# KiCad board panel.kicad_pcb (continued)
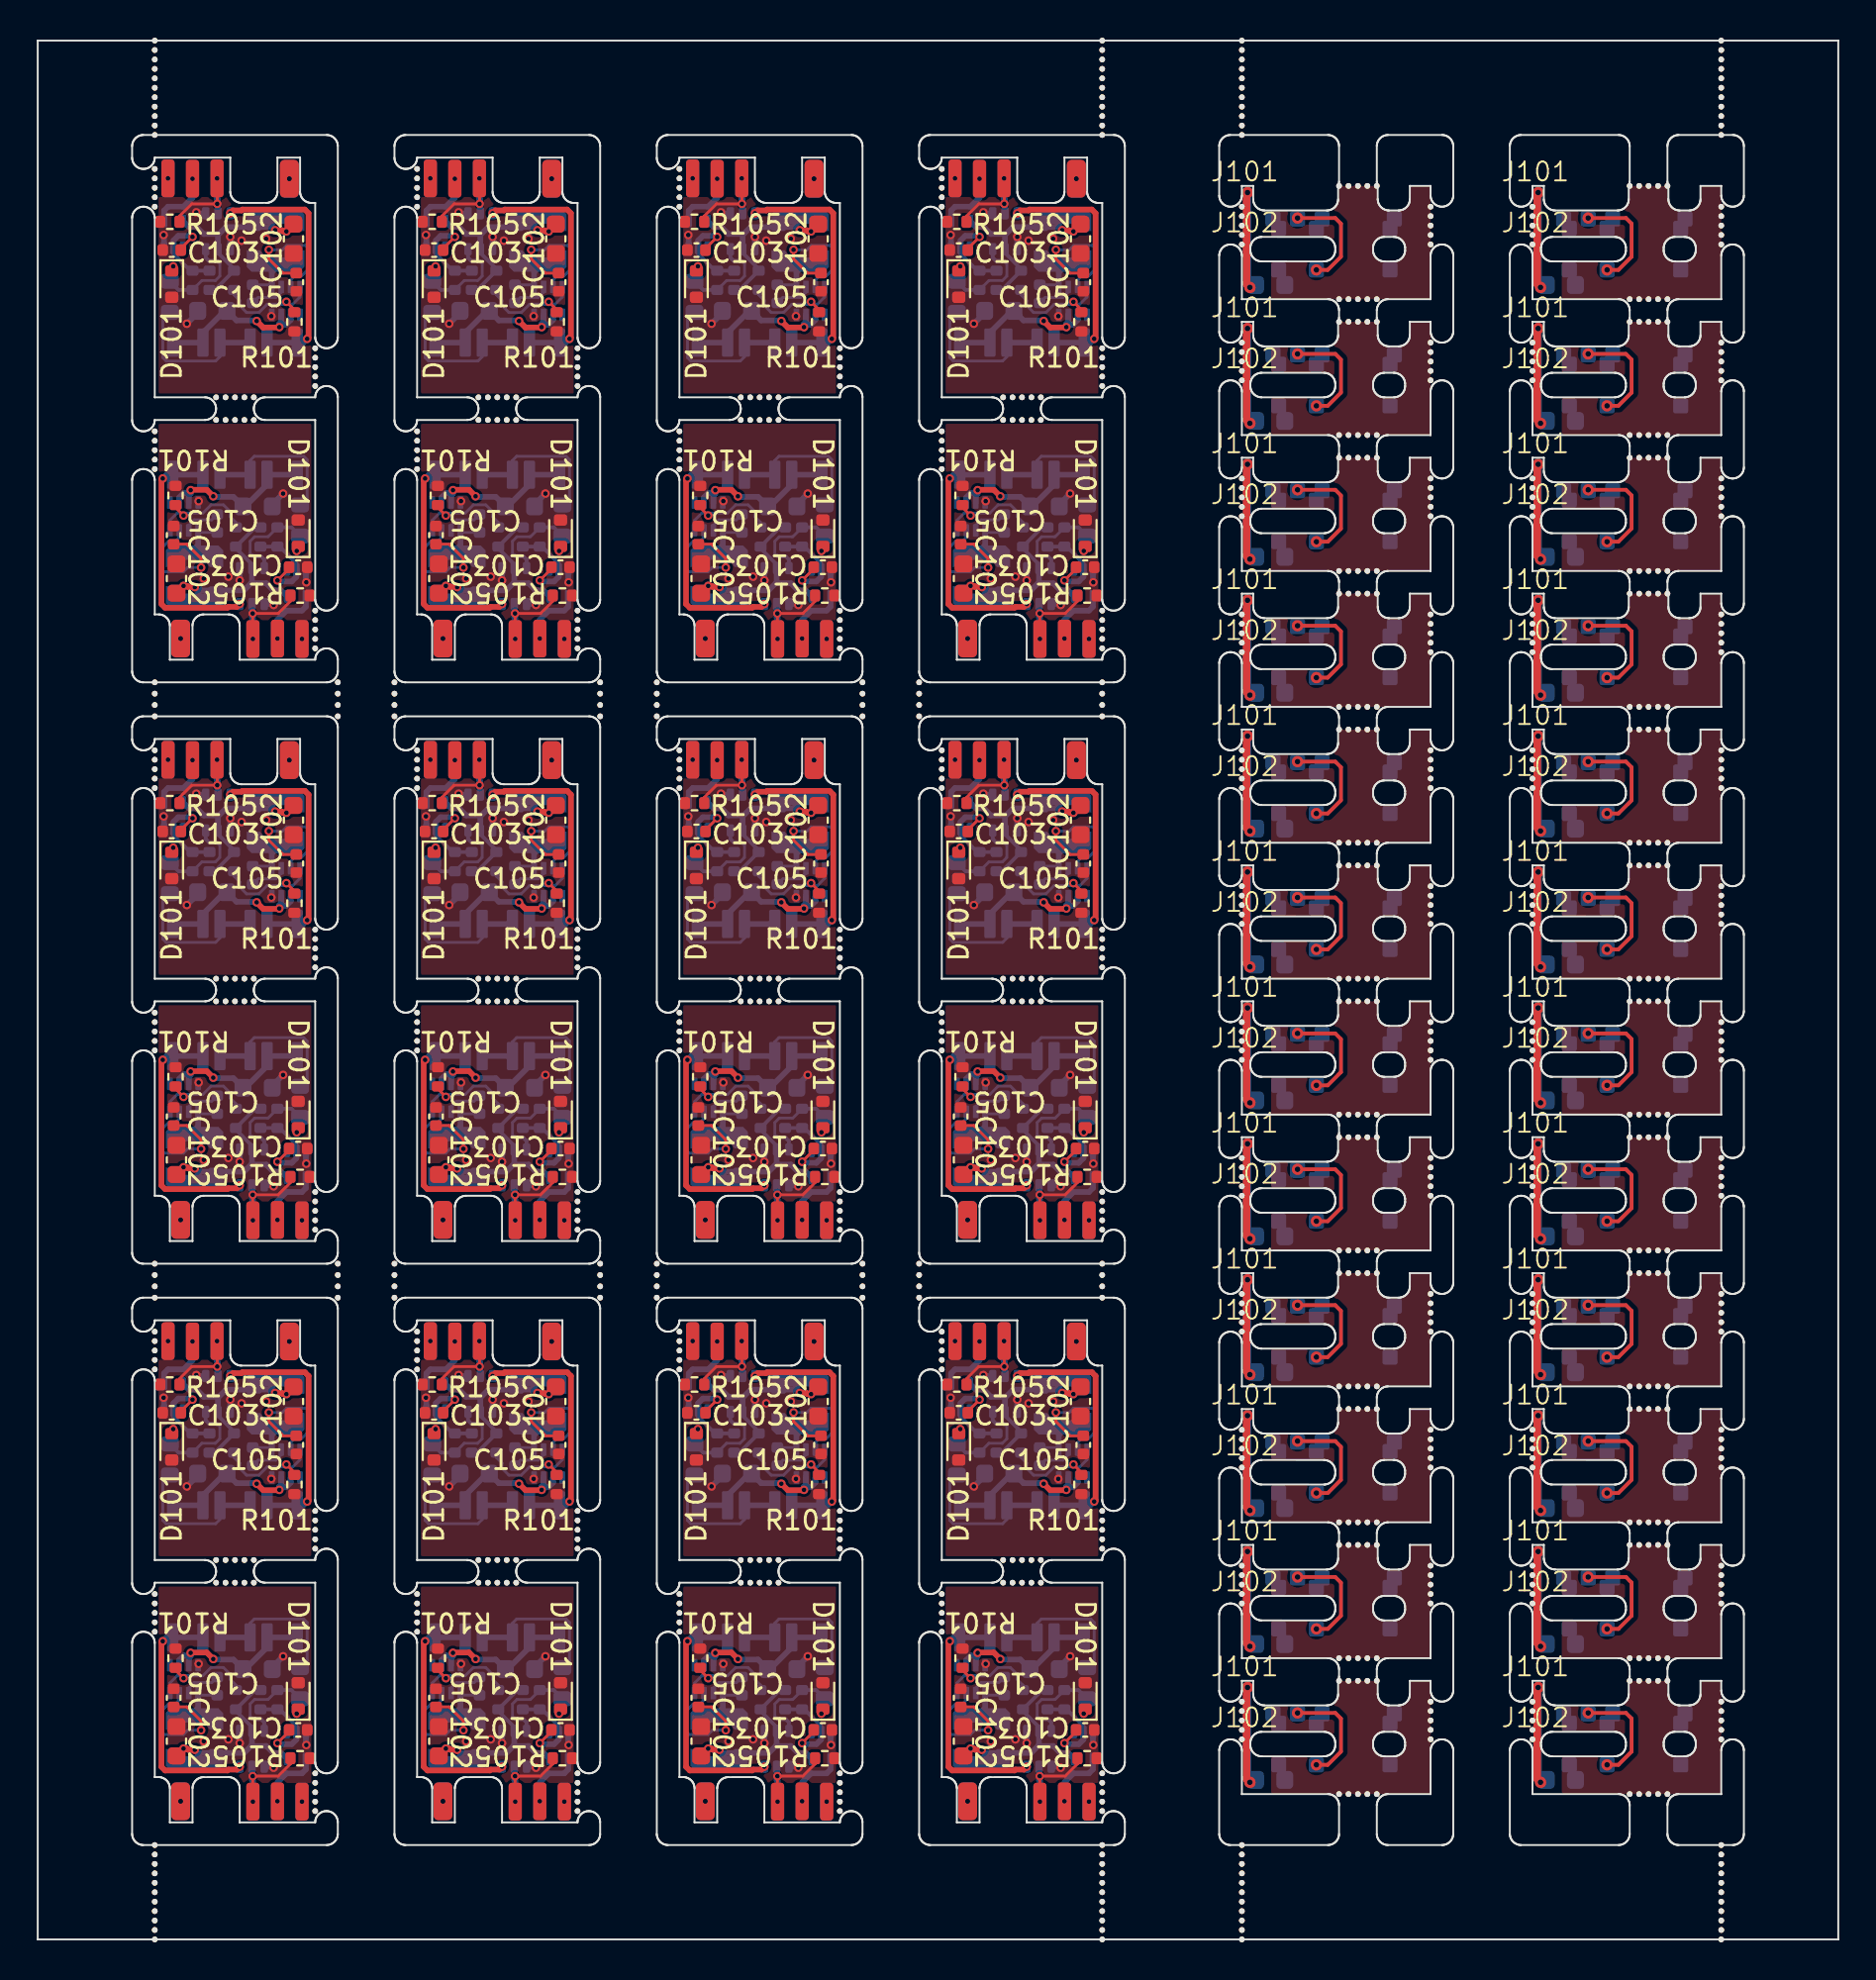
[diagram p0: board, top side]
## Nets (continued)
Board_0-Board_0-Board_2-/DBUS: H102#11.1 R103#8.1
Board_0-Board_0-Board_2-/DBUS_R: D101#16.1 Q102#10.3 R102#12.1 R103#8.2
Board_0-Board_0-Board_2-/FB: R101#2.1 R104#4.2 U103#4.8
Board_0-Board_0-Board_2-/IN: C103#22.1 R102#12.2 R106#11.2 U102#18.2
Board_0-Board_0-Board_2-/IO4: H104#24.1 H110#8.1 Q102#10.5 R105#14.1
Board_0-Board_0-Board_2-/IO5: H105#13.1 H109#2.1 U102#18.4
Board_0-Board_0-Board_2-/SW: C104#22.2 L101#6.1 U103#4.5
Board_0-Board_0-Board_2-/V+: C101#8.1 H101#6.1 U103#4.2 U103#4.3
Board_0-Board_0-Board_2-/V-: H103#11.1 Q102#10.6
Board_0-Board_0-Board_2-GND: C101#8.2 C102#11.2 C103#22.2 C105.2 D101#16.2 H107#3.1 H111#18.1 Q102#10.1 Q102#10.4 R101#2.2 R105#14.2 U102#18.3 U103#4.4
Board_0-Board_0-Board_2-Net-(U103-SS): C105.1 U103#4.7
Board_0-Board_0-Board_2-unconnected-(U102-NC-Pad1): U102#18.1
Board_0-Board_0-Board_2-unconnected-(U103-RT-Pad1): U103#4.1
Board_0-Board_0-Board_3-+3V3: C102#2.1 H106#13.1 H108#12.1 L101#17.2 Q102#2.2 R104#6.1 R106#13.1 U102#2.5
Board_0-Board_0-Board_3-/BST: C104#10.1 U103#16.6
Board_0-Board_0-Board_3-/DBUS: H102#22.1 R103#13.1
Board_0-Board_0-Board_3-/DBUS_R: D101#9.1 Q102#2.3 R102#16.1 R103#13.2
Board_0-Board_0-Board_3-/FB: R101#10.1 R104#6.2 U103#16.8
Board_0-Board_0-Board_3-/IN: C103#20.1 R102#16.2 R106#13.2 U102#2.2
Board_0-Board_0-Board_3-/IO4: H104#5.1 H110#22.1 Q102#2.5 R105#19.1
Board_0-Board_0-Board_3-/IO5: H105#14.1 H109#22.1 U102#2.4
Board_0-Board_0-Board_3-/SW: C104#10.2 L101#17.1 U103#16.5
Board_0-Board_0-Board_3-/V+: C101.1 H101#16.1 U103#16.2 U103#16.3
Board_0-Board_0-Board_3-/V-: H103#16.1 Q102#2.6
Board_0-Board_0-Board_3-GND: C101.2 C102#2.2 C103#20.2 C105#7.2 D101#9.2 H107#8.1 H111.1 Q102#2.1 Q102#2.4 R101#10.2 R105#19.2 U102#2.3 U103#16.4
Board_0-Board_0-Board_3-Net-(U103-SS): C105#7.1 U103#16.7
Board_0-Board_0-Board_3-unconnected-(U102-NC-Pad1): U102#2.1
Board_0-Board_0-Board_3-unconnected-(U103-RT-Pad1): U103#16.1
Board_0-Board_0-Board_4-+3V3: C102#6.1 H106#6.1 H108#14.1 L101#12.2 Q102#14.2 R104#20.1 R106#15.1 U102#10.5
Board_0-Board_0-Board_4-/BST: C104#5.1 U103#18.6
Board_0-Board_0-Board_4-/DBUS: H102#9.1 R103#4.1
Board_0-Board_0-Board_4-/DBUS_R: D101#20.1 Q102#14.3 R102#17.1 R103#4.2
Board_0-Board_0-Board_4-/FB: R101#24.1 R104#20.2 U103#18.8
Board_0-Board_0-Board_4-/IN: C103#24.1 R102#17.2 R106#15.2 U102#10.2
Board_0-Board_0-Board_4-/IO4: H104#13.1 H110#3.1 Q102#14.5 R105#17.1
Board_0-Board_0-Board_4-/IO5: H105#16.1 H109#18.1 U102#10.4
Board_0-Board_0-Board_4-/SW: C104#5.2 L101#12.1 U103#18.5
Board_0-Board_0-Board_4-/V+: C101#10.1 H101#9.1 U103#18.2 U103#18.3
Board_0-Board_0-Board_4-/V-: H103#9.1 Q102#14.6
Board_0-Board_0-Board_4-GND: C101#10.2 C102#6.2 C103#24.2 C105#16.2 D101#20.2 H107#20.1 H111#6.1 Q102#14.1 Q102#14.4 R101#24.2 R105#17.2 U102#10.3 U103#18.4
Board_0-Board_0-Board_4-Net-(U103-SS): C105#16.1 U103#18.7
Board_0-Board_0-Board_4-unconnected-(U102-NC-Pad1): U102#10.1
Board_0-Board_0-Board_4-unconnected-(U103-RT-Pad1): U103#18.1
Board_0-Board_0-Board_5-+3V3: C102#10.1 H106#10.1 H108#22.1 L101#7.2 Q102#5.2 R104#11.1 R106#9.1 U102#9.5
Board_0-Board_0-Board_5-/BST: C104.1 U103#14.6
Board_0-Board_0-Board_5-/DBUS: H102#16.1 R103#3.1
Board_0-Board_0-Board_5-/DBUS_R: D101#24.1 Q102#5.3 R102#13.1 R103#3.2
Board_0-Board_0-Board_5-/FB: R101#3.1 R104#11.2 U103#14.8
Board_0-Board_0-Board_5-/IN: C103#19.1 R102#13.2 R106#9.2 U102#9.2
Board_0-Board_0-Board_5-/IO4: H104#8.1 H110#16.1 Q102#5.5 R105.1
Board_0-Board_0-Board_5-/IO5: H105#12.1 H109#5.1 U102#9.4
Board_0-Board_0-Board_5-/SW: C104.2 L101#7.1 U103#14.5
Board_0-Board_0-Board_5-/V+: C101#12.1 H101#8.1 U103#14.2 U103#14.3
Board_0-Board_0-Board_5-/V-: H103#18.1 Q102#5.6
Board_0-Board_0-Board_5-GND: C101#12.2 C102#10.2 C103#19.2 C105#9.2 D101#24.2 H107#10.1 H111#10.1 Q102#5.1 Q102#5.4 R101#3.2 R105.2 U102#9.3 U103#14.4
Board_0-Board_0-Board_5-Net-(U103-SS): C105#9.1 U103#14.7
Board_0-Board_0-Board_5-unconnected-(U102-NC-Pad1): U102#9.1
Board_0-Board_0-Board_5-unconnected-(U103-RT-Pad1): U103#14.1
Board_0-Board_0-Board_6-+3V3: C102#7.1 H106#2.1 H108#23.1 L101#20.2 Q102#19.2 R104#23.1 R106#22.1 U102#6.5
Board_0-Board_0-Board_6-/BST: C104#16.1 U103#6.6
Board_0-Board_0-Board_6-/DBUS: H102#15.1 R103#16.1
Board_0-Board_0-Board_6-/DBUS_R: D101#18.1 Q102#19.3 R102#4.1 R103#16.2
Board_0-Board_0-Board_6-/FB: R101#6.1 R104#23.2 U103#6.8
Board_0-Board_0-Board_6-/IN: C103#13.1 R102#4.2 R106#22.2 U102#6.2
Board_0-Board_0-Board_6-/IO4: H104#4.1 H110#6.1 Q102#19.5 R105#16.1
Board_0-Board_0-Board_6-/IO5: H105#11.1 H109#23.1 U102#6.4
Board_0-Board_0-Board_6-/SW: C104#16.2 L101#20.1 U103#6.5
Board_0-Board_0-Board_6-/V+: C101#7.1 H101#18.1 U103#6.2 U103#6.3
Board_0-Board_0-Board_6-/V-: H103#19.1 Q102#19.6
Board_0-Board_0-Board_6-GND: C101#7.2 C102#7.2 C103#13.2 C105#19.2 D101#18.2 H107#12.1 H111#14.1 Q102#19.1 Q102#19.4 R101#6.2 R105#16.2 U102#6.3 U103#6.4
Board_0-Board_0-Board_6-Net-(U103-SS): C105#19.1 U103#6.7
Board_0-Board_0-Board_6-unconnected-(U102-NC-Pad1): U102#6.1
Board_0-Board_0-Board_6-unconnected-(U103-RT-Pad1): U103#6.1
Board_0-Board_0-Board_7-+3V3: C102#14.1 H106#21.1 H108#6.1 L101#21.2 Q102#23.2 R104#9.1 R106#3.1 U102#22.5
Board_0-Board_0-Board_7-/BST: C104#9.1 U103#15.6
Board_0-Board_0-Board_7-/DBUS: H102#6.1 R103#23.1
Board_0-Board_0-Board_7-/DBUS_R: D101#3.1 Q102#23.3 R102#11.1 R103#23.2
Board_0-Board_0-Board_7-/FB: R101#21.1 R104#9.2 U103#15.8
Board_0-Board_0-Board_7-/IN: C103#7.1 R102#11.2 R106#3.2 U102#22.2
Board_0-Board_0-Board_7-/IO4: H104#6.1 H110#10.1 Q102#23.5 R105#5.1
Board_0-Board_0-Board_7-/IO5: H105#7.1 H109#6.1 U102#22.4
Board_0-Board_0-Board_7-/SW: C104#9.2 L101#21.1 U103#15.5
Board_0-Board_0-Board_7-/V+: C101#13.1 H101#23.1 U103#15.2 U103#15.3
Board_0-Board_0-Board_7-/V-: H103.1 Q102#23.6
Board_0-Board_0-Board_7-GND: C101#13.2 C102#14.2 C103#7.2 C105#13.2 D101#3.2 H107#18.1 H111#24.1 Q102#23.1 Q102#23.4 R101#21.2 R105#5.2 U102#22.3 U103#15.4
Board_0-Board_0-Board_7-Net-(U103-SS): C105#13.1 U103#15.7
Board_0-Board_0-Board_7-unconnected-(U102-NC-Pad1): U102#22.1
Board_0-Board_0-Board_7-unconnected-(U103-RT-Pad1): U103#15.1
Board_0-Board_0-Board_8-+3V3: C102#16.1 H106#15.1 H108#20.1 L101#4.2 Q102#15.2 R104#19.1 R106#4.1 U102#17.5
Board_0-Board_0-Board_8-/BST: C104#7.1 U103#7.6
Board_0-Board_0-Board_8-/DBUS: H102.1 R103#11.1
Board_0-Board_0-Board_8-/DBUS_R: D101#15.1 Q102#15.3 R102#18.1 R103#11.2
Board_0-Board_0-Board_8-/FB: R101#11.1 R104#19.2 U103#7.8
Board_0-Board_0-Board_8-/IN: C103#10.1 R102#18.2 R106#4.2 U102#17.2
Board_0-Board_0-Board_8-/IO4: H104#2.1 H110#9.1 Q102#15.5 R105#8.1
Board_0-Board_0-Board_8-/IO5: H105#6.1 H109#11.1 U102#17.4
Board_0-Board_0-Board_8-/SW: C104#7.2 L101#4.1 U103#7.5
Board_0-Board_0-Board_8-/V+: C101#3.1 H101#7.1 U103#7.2 U103#7.3
Board_0-Board_0-Board_8-/V-: H103#23.1 Q102#15.6
Board_0-Board_0-Board_8-GND: C101#3.2 C102#16.2 C103#10.2 C105#12.2 D101#15.2 H107#11.1 H111#3.1 Q102#15.1 Q102#15.4 R101#11.2 R105#8.2 U102#17.3 U103#7.4
Board_0-Board_0-Board_8-Net-(U103-SS): C105#12.1 U103#7.7
Board_0-Board_0-Board_8-unconnected-(U102-NC-Pad1): U102#17.1
Board_0-Board_0-Board_8-unconnected-(U103-RT-Pad1): U103#7.1
Board_0-Board_0-Board_9-+3V3: C102#18.1 H106#7.1 H108#4.1 L101#18.2 Q102#17.2 R104#15.1 R106#21.1 U102#8.5
Board_0-Board_0-Board_9-/BST: C104#21.1 U103#8.6
Board_0-Board_0-Board_9-/DBUS: H102#12.1 R103#18.1
Board_0-Board_0-Board_9-/DBUS_R: D101#21.1 Q102#17.3 R102#19.1 R103#18.2
Board_0-Board_0-Board_9-/FB: R101#4.1 R104#15.2 U103#8.8
Board_0-Board_0-Board_9-/IN: C103#16.1 R102#19.2 R106#21.2 U102#8.2
Board_0-Board_0-Board_9-/IO4: H104#15.1 H110#14.1 Q102#17.5 R105#20.1
Board_0-Board_0-Board_9-/IO5: H105#15.1 H109#19.1 U102#8.4
Board_0-Board_0-Board_9-/SW: C104#21.2 L101#18.1 U103#8.5
Board_0-Board_0-Board_9-/V+: C101#16.1 H101#15.1 U103#8.2 U103#8.3
Board_0-Board_0-Board_9-/V-: H103#13.1 Q102#17.6
Board_0-Board_0-Board_9-GND: C101#16.2 C102#18.2 C103#16.2 C105#5.2 D101#21.2 H107#9.1 H111#12.1 Q102#17.1 Q102#17.4 R101#4.2 R105#20.2 U102#8.3 U103#8.4
Board_0-Board_0-Board_9-Net-(U103-SS): C105#5.1 U103#8.7
Board_0-Board_0-Board_9-unconnected-(U102-NC-Pad1): U102#8.1
Board_0-Board_0-Board_9-unconnected-(U103-RT-Pad1): U103#8.1
Board_0-Board_0-Board_10-+3V3: C102#5.1 H106#5.1 H108#3.1 L101#24.2 Q102#11.2 R104#3.1 R106#16.1 U102#15.5
Board_0-Board_0-Board_10-/BST: C104#11.1 U103#13.6
Board_0-Board_0-Board_10-/DBUS: H102#4.1 R103#5.1
Board_0-Board_0-Board_10-/DBUS_R: D101#22.1 Q102#11.3 R102#21.1 R103#5.2
Board_0-Board_0-Board_10-/FB: R101#8.1 R104#3.2 U103#13.8
Board_0-Board_0-Board_10-/IN: C103#17.1 R102#21.2 R106#16.2 U102#15.2
Board_0-Board_0-Board_10-/IO4: H104#11.1 H110#20.1 Q102#11.5 R105#11.1
Board_0-Board_0-Board_10-/IO5: H105#22.1 H109#7.1 U102#15.4
Board_0-Board_0-Board_10-/SW: C104#11.2 L101#24.1 U103#13.5
Board_0-Board_0-Board_10-/V+: C101#11.1 H101#19.1 U103#13.2 U103#13.3
Board_0-Board_0-Board_10-/V-: H103#2.1 Q102#11.6
Board_0-Board_0-Board_10-GND: C101#11.2 C102#5.2 C103#17.2 C105#10.2 D101#22.2 H107#24.1 H111#13.1 Q102#11.1 Q102#11.4 R101#8.2 R105#11.2 U102#15.3 U103#13.4
Board_0-Board_0-Board_10-Net-(U103-SS): C105#10.1 U103#13.7
Board_0-Board_0-Board_10-unconnected-(U102-NC-Pad1): U102#15.1
Board_0-Board_0-Board_10-unconnected-(U103-RT-Pad1): U103#13.1
Board_0-Board_0-Board_11-+3V3: C102#8.1 H106#17.1 H108#7.1 L101#14.2 Q102#4.2 R104#7.1 R106#2.1 U102#7.5
Board_0-Board_0-Board_11-/BST: C104#6.1 U103#23.6
Board_0-Board_0-Board_11-/DBUS: H102#14.1 R103#10.1
Board_0-Board_0-Board_11-/DBUS_R: D101#14.1 Q102#4.3 R102#14.1 R103#10.2
Board_0-Board_0-Board_11-/FB: R101#15.1 R104#7.2 U103#23.8
Board_0-Board_0-Board_11-/IN: C103#2.1 R102#14.2 R106#2.2 U102#7.2
Board_0-Board_0-Board_11-/IO4: H104#20.1 H110#5.1 Q102#4.5 R105#4.1
Board_0-Board_0-Board_11-/IO5: H105#19.1 H109#15.1 U102#7.4
Board_0-Board_0-Board_11-/SW: C104#6.2 L101#14.1 U103#23.5
Board_0-Board_0-Board_11-/V+: C101#24.1 H101#3.1 U103#23.2 U103#23.3
Board_0-Board_0-Board_11-/V-: H103#10.1 Q102#4.6
Board_0-Board_0-Board_11-GND: C101#24.2 C102#8.2 C103#2.2 C105#18.2 D101#14.2 H107#22.1 H111#21.1 Q102#4.1 Q102#4.4 R101#15.2 R105#4.2 U102#7.3 U103#23.4
Board_0-Board_0-Board_11-Net-(U103-SS): C105#18.1 U103#23.7
Board_0-Board_0-Board_11-unconnected-(U102-NC-Pad1): U102#7.1
Board_0-Board_0-Board_11-unconnected-(U103-RT-Pad1): U103#23.1
Board_0-Board_0-Board_12-+3V3: C102#15.1 H106#14.1 H108#17.1 L101#2.2 Q102#16.2 R104#24.1 R106#19.1 U102#23.5
Board_0-Board_0-Board_12-/BST: C104#15.1 U103#11.6
Board_0-Board_0-Board_12-/DBUS: H102#20.1 R103#2.1
Board_0-Board_0-Board_12-/DBUS_R: D101#5.1 Q102#16.3 R102#9.1 R103#2.2
Board_0-Board_0-Board_12-/FB: R101#23.1 R104#24.2 U103#11.8
Board_0-Board_0-Board_12-/IN: C103#5.1 R102#9.2 R106#19.2 U102#23.2
Board_0-Board_0-Board_12-/IO4: H104#12.1 H110.1 Q102#16.5 R105#10.1
Board_0-Board_0-Board_12-/IO5: H105#2.1 H109#16.1 U102#23.4
Board_0-Board_0-Board_12-/SW: C104#15.2 L101#2.1 U103#11.5
Board_0-Board_0-Board_12-/V+: C101#23.1 H101#2.1 U103#11.2 U103#11.3
Board_0-Board_0-Board_12-/V-: H103#24.1 Q102#16.6
Board_0-Board_0-Board_12-GND: C101#23.2 C102#15.2 C103#5.2 C105#17.2 D101#5.2 H107#13.1 H111#15.1 Q102#16.1 Q102#16.4 R101#23.2 R105#10.2 U102#23.3 U103#11.4
Board_0-Board_0-Board_12-Net-(U103-SS): C105#17.1 U103#11.7
Board_0-Board_0-Board_12-unconnected-(U102-NC-Pad1): U102#23.1
Board_0-Board_0-Board_12-unconnected-(U103-RT-Pad1): U103#11.1
Board_0-Board_0-Board_13-+3V3: C102#9.1 H106#11.1 H108#19.1 L101#8.2 Q102#24.2 R104.1 R106#10.1 U102#19.5
Board_0-Board_0-Board_13-/BST: C104#8.1 U103#21.6
Board_0-Board_0-Board_13-/DBUS: H102#19.1 R103#21.1
Board_0-Board_0-Board_13-/DBUS_R: D101.1 Q102#24.3 R102#24.1 R103#21.2
Board_0-Board_0-Board_13-/FB: R101#9.1 R104.2 U103#21.8
Board_0-Board_0-Board_13-/IN: C103#6.1 R102#24.2 R106#10.2 U102#19.2
Board_0-Board_0-Board_13-/IO4: H104.1 H110#23.1 Q102#24.5 R105#13.1
Board_0-Board_0-Board_13-/IO5: H105#9.1 H109.1 U102#19.4
Board_0-Board_0-Board_13-/SW: C104#8.2 L101#8.1 U103#21.5
Board_0-Board_0-Board_13-/V+: C101#18.1 H101.1 U103#21.2 U103#21.3
Board_0-Board_0-Board_13-/V-: H103#8.1 Q102#24.6
Board_0-Board_0-Board_13-GND: C101#18.2 C102#9.2 C103#6.2 C105#3.2 D101.2 H107#14.1 H111#17.1 Q102#24.1 Q102#24.4 R101#9.2 R105#13.2 U102#19.3 U103#21.4
Board_0-Board_0-Board_13-Net-(U103-SS): C105#3.1 U103#21.7
Board_0-Board_0-Board_13-unconnected-(U102-NC-Pad1): U102#19.1
Board_0-Board_0-Board_13-unconnected-(U103-RT-Pad1): U103#21.1
Board_0-Board_0-Board_14-+3V3: C102#17.1 H106#23.1 H108#15.1 L101#11.2 Q102#12.2 R104#21.1 R106#18.1 U102#16.5
Board_0-Board_0-Board_14-/BST: C104#14.1 U103#20.6
Board_0-Board_0-Board_14-/DBUS: H102#21.1 R103.1
Board_0-Board_0-Board_14-/DBUS_R: D101#13.1 Q102#12.3 R102#6.1 R103.2
Board_0-Board_0-Board_14-/FB: R101#17.1 R104#21.2 U103#20.8
Board_0-Board_0-Board_14-/IN: C103#4.1 R102#6.2 R106#18.2 U102#16.2
Board_0-Board_0-Board_14-/IO4: H104#22.1 H110#21.1 Q102#12.5 R105#7.1
Board_0-Board_0-Board_14-/IO5: H105#21.1 H109#14.1 U102#16.4
Board_0-Board_0-Board_14-/SW: C104#14.2 L101#11.1 U103#20.5
Board_0-Board_0-Board_14-/V+: C101#15.1 H101#12.1 U103#20.2 U103#20.3
Board_0-Board_0-Board_14-/V-: H103#21.1 Q102#12.6
Board_0-Board_0-Board_14-GND: C101#15.2 C102#17.2 C103#4.2 C105#24.2 D101#13.2 H107#21.1 H111#16.1 Q102#12.1 Q102#12.4 R101#17.2 R105#7.2 U102#16.3 U103#20.4
Board_0-Board_0-Board_14-Net-(U103-SS): C105#24.1 U103#20.7
Board_0-Board_0-Board_14-unconnected-(U102-NC-Pad1): U102#16.1
Board_0-Board_0-Board_14-unconnected-(U103-RT-Pad1): U103#20.1
Board_0-Board_0-Board_15-+3V3: C102#23.1 H106#19.1 H108#13.1 L101#3.2 Q102#6.2 R104#17.1 R106#6.1 U102#14.5
Board_0-Board_0-Board_15-/BST: C104#2.1 U103#3.6
Board_0-Board_0-Board_15-/DBUS: H102#5.1 R103#17.1
Board_0-Board_0-Board_15-/DBUS_R: D101#10.1 Q102#6.3 R102#15.1 R103#17.2
Board_0-Board_0-Board_15-/FB: R101.1 R104#17.2 U103#3.8
Board_0-Board_0-Board_15-/IN: C103#23.1 R102#15.2 R106#6.2 U102#14.2
Board_0-Board_0-Board_15-/IO4: H104#17.1 H110#2.1 Q102#6.5 R105#22.1
Board_0-Board_0-Board_15-/IO5: H105.1 H109#9.1 U102#14.4
Board_0-Board_0-Board_15-/SW: C104#2.2 L101#3.1 U103#3.5
Board_0-Board_0-Board_15-/V+: C101#6.1 H101#13.1 U103#3.2 U103#3.3
Board_0-Board_0-Board_15-/V-: H103#4.1 Q102#6.6
Board_0-Board_0-Board_15-GND: C101#6.2 C102#23.2 C103#23.2 C105#22.2 D101#10.2 H107#19.1 H111#19.1 Q102#6.1 Q102#6.4 R101.2 R105#22.2 U102#14.3 U103#3.4
Board_0-Board_0-Board_15-Net-(U103-SS): C105#22.1 U103#3.7
Board_0-Board_0-Board_15-unconnected-(U102-NC-Pad1): U102#14.1
Board_0-Board_0-Board_15-unconnected-(U103-RT-Pad1): U103#3.1
Board_0-Board_0-Board_16-+3V3: C102#19.1 H106#12.1 H108#8.1 L101#9.2 Q102#7.2 R104#10.1 R106#20.1 U102#11.5
Board_0-Board_0-Board_16-/BST: C104#18.1 U103#10.6
Board_0-Board_0-Board_16-/DBUS: H102#10.1 R103#14.1
Board_0-Board_0-Board_16-/DBUS_R: D101#19.1 Q102#7.3 R102#8.1 R103#14.2
Board_0-Board_0-Board_16-/FB: R101#20.1 R104#10.2 U103#10.8
Board_0-Board_0-Board_16-/IN: C103#21.1 R102#8.2 R106#20.2 U102#11.2
Board_0-Board_0-Board_16-/IO4: H104#21.1 H110#24.1 Q102#7.5 R105#9.1
Board_0-Board_0-Board_16-/IO5: H105#17.1 H109#20.1 U102#11.4
Board_0-Board_0-Board_16-/SW: C104#18.2 L101#9.1 U103#10.5
Board_0-Board_0-Board_16-/V+: C101#2.1 H101#20.1 U103#10.2 U103#10.3
Board_0-Board_0-Board_16-/V-: H103#14.1 Q102#7.6
Board_0-Board_0-Board_16-GND: C101#2.2 C102#19.2 C103#21.2 C105#14.2 D101#19.2 H107#2.1 H111#20.1 Q102#7.1 Q102#7.4 R101#20.2 R105#9.2 U102#11.3 U103#10.4
Board_0-Board_0-Board_16-Net-(U103-SS): C105#14.1 U103#10.7
Board_0-Board_0-Board_16-unconnected-(U102-NC-Pad1): U102#11.1
Board_0-Board_0-Board_16-unconnected-(U103-RT-Pad1): U103#10.1
Board_0-Board_0-Board_17-+3V3: C102#21.1 H106#20.1 H108#24.1 L101#10.2 Q102#9.2 R104#2.1 R106#7.1 U102#20.5
Board_0-Board_0-Board_17-/BST: C104#19.1 U103#12.6
Board_0-Board_0-Board_17-/DBUS: H102#3.1 R103#9.1
Board_0-Board_0-Board_17-/DBUS_R: D101#17.1 Q102#9.3 R102.1 R103#9.2
Board_0-Board_0-Board_17-/FB: R101#18.1 R104#2.2 U103#12.8
Board_0-Board_0-Board_17-/IN: C103#9.1 R102.2 R106#7.2 U102#20.2
Board_0-Board_0-Board_17-/IO4: H104#19.1 H110#17.1 Q102#9.5 R105#24.1
Board_0-Board_0-Board_17-/IO5: H105#5.1 H109#10.1 U102#20.4
Board_0-Board_0-Board_17-/SW: C104#19.2 L101#10.1 U103#12.5
Board_0-Board_0-Board_17-/V+: C101#19.1 H101#10.1 U103#12.2 U103#12.3
Board_0-Board_0-Board_17-/V-: H103#5.1 Q102#9.6
Board_0-Board_0-Board_17-GND: C101#19.2 C102#21.2 C103#9.2 C105#20.2 D101#17.2 H107#16.1 H111#11.1 Q102#9.1 Q102#9.4 R101#18.2 R105#24.2 U102#20.3 U103#12.4
Board_0-Board_0-Board_17-Net-(U103-SS): C105#20.1 U103#12.7
Board_0-Board_0-Board_17-unconnected-(U102-NC-Pad1): U102#20.1
Board_0-Board_0-Board_17-unconnected-(U103-RT-Pad1): U103#12.1
Board_0-Board_0-Board_18-+3V3: C102#4.1 H106#9.1 H108#9.1 L101#19.2 Q102#20.2 R104#12.1 R106#8.1 U102#24.5
Board_0-Board_0-Board_18-/BST: C104#23.1 U103#22.6
Board_0-Board_0-Board_18-/DBUS: H102#24.1 R103#20.1
Board_0-Board_0-Board_18-/DBUS_R: D101#2.1 Q102#20.3 R102#20.1 R103#20.2
Board_0-Board_0-Board_18-/FB: R101#19.1 R104#12.2 U103#22.8
Board_0-Board_0-Board_18-/IN: C103#15.1 R102#20.2 R106#8.2 U102#24.2
Board_0-Board_0-Board_18-/IO4: H104#9.1 H110#18.1 Q102#20.5 R105#15.1
Board_0-Board_0-Board_18-/IO5: H105#18.1 H109#12.1 U102#24.4
Board_0-Board_0-Board_18-/SW: C104#23.2 L101#19.1 U103#22.5
Board_0-Board_0-Board_18-/V+: C101#4.1 H101#5.1 U103#22.2 U103#22.3
Board_0-Board_0-Board_18-/V-: H103#3.1 Q102#20.6
Board_0-Board_0-Board_18-GND: C101#4.2 C102#4.2 C103#15.2 C105#23.2 D101#2.2 H107#15.1 H111#5.1 Q102#20.1 Q102#20.4 R101#19.2 R105#15.2 U102#24.3 U103#22.4
Board_0-Board_0-Board_18-Net-(U103-SS): C105#23.1 U103#22.7
Board_0-Board_0-Board_18-unconnected-(U102-NC-Pad1): U102#24.1
Board_0-Board_0-Board_18-unconnected-(U103-RT-Pad1): U103#22.1
Board_0-Board_0-Board_19-+3V3: C102#22.1 H106#22.1 H108#11.1 L101#22.2 Q102.2 R104#8.1 R106#14.1 U102.5
Board_0-Board_0-Board_19-/BST: C104#20.1 U103.6
Board_0-Board_0-Board_19-/DBUS: H102#7.1 R103#22.1
Board_0-Board_0-Board_19-/DBUS_R: D101#23.1 Q102.3 R102#2.1 R103#22.2
Board_0-Board_0-Board_19-/FB: R101#7.1 R104#8.2 U103.8
Board_0-Board_0-Board_19-/IN: C103#12.1 R102#2.2 R106#14.2 U102.2
Board_0-Board_0-Board_19-/IO4: H104#14.1 H110#7.1 Q102.5 R105#21.1
Board_0-Board_0-Board_19-/IO5: H105#8.1 H109#17.1 U102.4
Board_0-Board_0-Board_19-/SW: C104#20.2 L101#22.1 U103.5
Board_0-Board_0-Board_19-/V+: C101#20.1 H101#4.1 U103.2 U103.3
Board_0-Board_0-Board_19-/V-: H103#22.1 Q102.6
Board_0-Board_0-Board_19-GND: C101#20.2 C102#22.2 C103#12.2 C105#2.2 D101#23.2 H107#4.1 H111#2.1 Q102.1 Q102.4 R101#7.2 R105#21.2 U102.3 U103.4
Board_0-Board_0-Board_19-Net-(U103-SS): C105#2.1 U103.7
Board_0-Board_0-Board_19-unconnected-(U102-NC-Pad1): U102.1
Board_0-Board_0-Board_19-unconnected-(U103-RT-Pad1): U103.1
Board_0-Board_0-Board_20-+3V3: C102#12.1 H106#4.1 H108#5.1 L101#5.2 Q102#8.2 R104#5.1 R106.1 U102#4.5
Board_0-Board_0-Board_20-/BST: C104#24.1 U103#2.6
Board_0-Board_0-Board_20-/DBUS: H102#17.1 R103#12.1
Board_0-Board_0-Board_20-/DBUS_R: D101#12.1 Q102#8.3 R102#7.1 R103#12.2
Board_0-Board_0-Board_20-/FB: R101#12.1 R104#5.2 U103#2.8
Board_0-Board_0-Board_20-/IN: C103.1 R102#7.2 R106.2 U102#4.2
Board_0-Board_0-Board_20-/IO4: H104#10.1 H110#11.1 Q102#8.5 R105#23.1
Board_0-Board_0-Board_20-/IO5: H105#23.1 H109#4.1 U102#4.4
Board_0-Board_0-Board_20-/SW: C104#24.2 L101#5.1 U103#2.5
Board_0-Board_0-Board_20-/V+: C101#9.1 H101#17.1 U103#2.2 U103#2.3
Board_0-Board_0-Board_20-/V-: H103#7.1 Q102#8.6
Board_0-Board_0-Board_20-GND: C101#9.2 C102#12.2 C103.2 C105#6.2 D101#12.2 H107#7.1 H111#23.1 Q102#8.1 Q102#8.4 R101#12.2 R105#23.2 U102#4.3 U103#2.4
Board_0-Board_0-Board_20-Net-(U103-SS): C105#6.1 U103#2.7
Board_0-Board_0-Board_20-unconnected-(U102-NC-Pad1): U102#4.1
Board_0-Board_0-Board_20-unconnected-(U103-RT-Pad1): U103#2.1
Board_0-Board_0-Board_21-+3V3: C102#13.1 H106#8.1 H108#16.1 L101#13.2 Q102#13.2 R104#14.1 R106#5.1 U102#21.5
Board_0-Board_0-Board_21-/BST: C104#13.1 U103#17.6
Board_0-Board_0-Board_21-/DBUS: H102#18.1 R103#15.1
Board_0-Board_0-Board_21-/DBUS_R: D101#4.1 Q102#13.3 R102#23.1 R103#15.2
Board_0-Board_0-Board_21-/FB: R101#13.1 R104#14.2 U103#17.8
Board_0-Board_0-Board_21-/IN: C103#18.1 R102#23.2 R106#5.2 U102#21.2
Board_0-Board_0-Board_21-/IO4: H104#16.1 H110#12.1 Q102#13.5 R105#2.1
Board_0-Board_0-Board_21-/IO5: H105#4.1 H109#24.1 U102#21.4
Board_0-Board_0-Board_21-/SW: C104#13.2 L101#13.1 U103#17.5
Board_0-Board_0-Board_21-/V+: C101#17.1 H101#14.1 U103#17.2 U103#17.3
Board_0-Board_0-Board_21-/V-: H103#15.1 Q102#13.6
Board_0-Board_0-Board_21-GND: C101#17.2 C102#13.2 C103#18.2 C105#21.2 D101#4.2 H107.1 H111#22.1 Q102#13.1 Q102#13.4 R101#13.2 R105#2.2 U102#21.3 U103#17.4
Board_0-Board_0-Board_21-Net-(U103-SS): C105#21.1 U103#17.7
Board_0-Board_0-Board_21-unconnected-(U102-NC-Pad1): U102#21.1
Board_0-Board_0-Board_21-unconnected-(U103-RT-Pad1): U103#17.1
Board_0-Board_0-Board_22-+3V3: C102.1 H106#18.1 H108#21.1 L101.2 Q102#21.2 R104#13.1 R106#17.1 U102#12.5
Board_0-Board_0-Board_22-/BST: C104#4.1 U103#5.6
Board_0-Board_0-Board_22-/DBUS: H102#8.1 R103#24.1
Board_0-Board_0-Board_22-/DBUS_R: D101#8.1 Q102#21.3 R102#22.1 R103#24.2
Board_0-Board_0-Board_22-/FB: R101#14.1 R104#13.2 U103#5.8
Board_0-Board_0-Board_22-/IN: C103#3.1 R102#22.2 R106#17.2 U102#12.2
Board_0-Board_0-Board_22-/IO4: H104#23.1 H110#4.1 Q102#21.5 R105#3.1
Board_0-Board_0-Board_22-/IO5: H105#3.1 H109#3.1 U102#12.4
Board_0-Board_0-Board_22-/SW: C104#4.2 L101.1 U103#5.5
Board_0-Board_0-Board_22-/V+: C101#21.1 H101#22.1 U103#5.2 U103#5.3
Board_0-Board_0-Board_22-/V-: H103#17.1 Q102#21.6
Board_0-Board_0-Board_22-GND: C101#21.2 C102.2 C103#3.2 C105#4.2 D101#8.2 H107#17.1 H111#9.1 Q102#21.1 Q102#21.4 R101#14.2 R105#3.2 U102#12.3 U103#5.4
Board_0-Board_0-Board_22-Net-(U103-SS): C105#4.1 U103#5.7
Board_0-Board_0-Board_22-unconnected-(U102-NC-Pad1): U102#12.1
Board_0-Board_0-Board_22-unconnected-(U103-RT-Pad1): U103#5.1
Board_0-Board_0-Board_23-+3V3: C102#3.1 H106.1 H108#10.1 L101#15.2 Q102#3.2 R104#16.1 R106#23.1 U102#13.5
Board_0-Board_0-Board_23-/BST: C104#12.1 U103#9.6
Board_0-Board_0-Board_23-/DBUS: H102#2.1 R103#7.1
Board_0-Board_0-Board_23-/DBUS_R: D101#7.1 Q102#3.3 R102#10.1 R103#7.2
Board_0-Board_0-Board_23-/FB: R101#22.1 R104#16.2 U103#9.8
Board_0-Board_0-Board_23-/IN: C103#11.1 R102#10.2 R106#23.2 U102#13.2
Board_0-Board_0-Board_23-/IO4: H104#7.1 H110#15.1 Q102#3.5 R105#6.1
Board_0-Board_0-Board_23-/IO5: H105#20.1 H109#13.1 U102#13.4
Board_0-Board_0-Board_23-/SW: C104#12.2 L101#15.1 U103#9.5
Board_0-Board_0-Board_23-/V+: C101#22.1 H101#24.1 U103#9.2 U103#9.3
Board_0-Board_0-Board_23-/V-: H103#12.1 Q102#3.6
Board_0-Board_0-Board_23-GND: C101#22.2 C102#3.2 C103#11.2 C105#15.2 D101#7.2 H107#6.1 H111#7.1 Q102#3.1 Q102#3.4 R101#22.2 R105#6.2 U102#13.3 U103#9.4
Board_0-Board_0-Board_23-Net-(U103-SS): C105#15.1 U103#9.7
Board_0-Board_0-Board_23-unconnected-(U102-NC-Pad1): U102#13.1
Board_0-Board_0-Board_23-unconnected-(U103-RT-Pad1): U103#9.1
Board_0-Board_1-Board_0-/ANT: J102.1
Board_0-Board_1-Board_0-/IO4: J101#14.3 J102.4
Board_0-Board_1-Board_0-/IO5: J101#14.2 J102.3
Board_0-Board_1-Board_0-/IO10: J102.5
Board_0-Board_1-Board_0-unconnected-(AE101-A-Pad1): AE101#9.1
Board_0-Board_1-Board_0-unconnected-(AE101-Shield-Pad2): AE101#9.2
Board_0-Board_1-Board_1-/ANT: J102#24.1
Board_0-Board_1-Board_1-/IO4: J101#5.3 J102#24.4
Board_0-Board_1-Board_1-/IO5: J101#5.2 J102#24.3
Board_0-Board_1-Board_1-/IO10: J102#24.5
Board_0-Board_1-Board_1-unconnected-(AE101-A-Pad1): AE101#4.1
Board_0-Board_1-Board_1-unconnected-(AE101-Shield-Pad2): AE101#4.2
Board_0-Board_1-Board_2-/ANT: J102#18.1
Board_0-Board_1-Board_2-/IO4: J101#19.3 J102#18.4
Board_0-Board_1-Board_2-/IO5: J101#19.2 J102#18.3
Board_0-Board_1-Board_2-/IO10: J102#18.5
Board_0-Board_1-Board_2-unconnected-(AE101-A-Pad1): AE101#22.1
Board_0-Board_1-Board_2-unconnected-(AE101-Shield-Pad2): AE101#22.2
Board_0-Board_1-Board_3-/ANT: J102#13.1
Board_0-Board_1-Board_3-/IO4: J101#3.3 J102#13.4
Board_0-Board_1-Board_3-/IO5: J101#3.2 J102#13.3
Board_0-Board_1-Board_3-/IO10: J102#13.5
Board_0-Board_1-Board_3-unconnected-(AE101-A-Pad1): AE101#11.1
Board_0-Board_1-Board_3-unconnected-(AE101-Shield-Pad2): AE101#11.2
Board_0-Board_1-Board_4-/ANT: J102#8.1
Board_0-Board_1-Board_4-/IO4: J101#21.3 J102#8.4
Board_0-Board_1-Board_4-/IO5: J101#21.2 J102#8.3
Board_0-Board_1-Board_4-/IO10: J102#8.5
Board_0-Board_1-Board_4-unconnected-(AE101-A-Pad1): AE101#19.1
Board_0-Board_1-Board_4-unconnected-(AE101-Shield-Pad2): AE101#19.2
Board_0-Board_1-Board_5-/ANT: J102#7.1
Board_0-Board_1-Board_5-/IO4: J101.3 J102#7.4
Board_0-Board_1-Board_5-/IO5: J101.2 J102#7.3
Board_0-Board_1-Board_5-/IO10: J102#7.5
Board_0-Board_1-Board_5-unconnected-(AE101-A-Pad1): AE101#3.1
Board_0-Board_1-Board_5-unconnected-(AE101-Shield-Pad2): AE101#3.2
Board_0-Board_1-Board_6-/ANT: J102#4.1
Board_0-Board_1-Board_6-/IO4: J101#13.3 J102#4.4
Board_0-Board_1-Board_6-/IO5: J101#13.2 J102#4.3
Board_0-Board_1-Board_6-/IO10: J102#4.5
Board_0-Board_1-Board_6-unconnected-(AE101-A-Pad1): AE101#24.1
Board_0-Board_1-Board_6-unconnected-(AE101-Shield-Pad2): AE101#24.2